# Altium PCB 宠物机器人&导购机器人.PcbDoc (part 8 of 14) (continued)
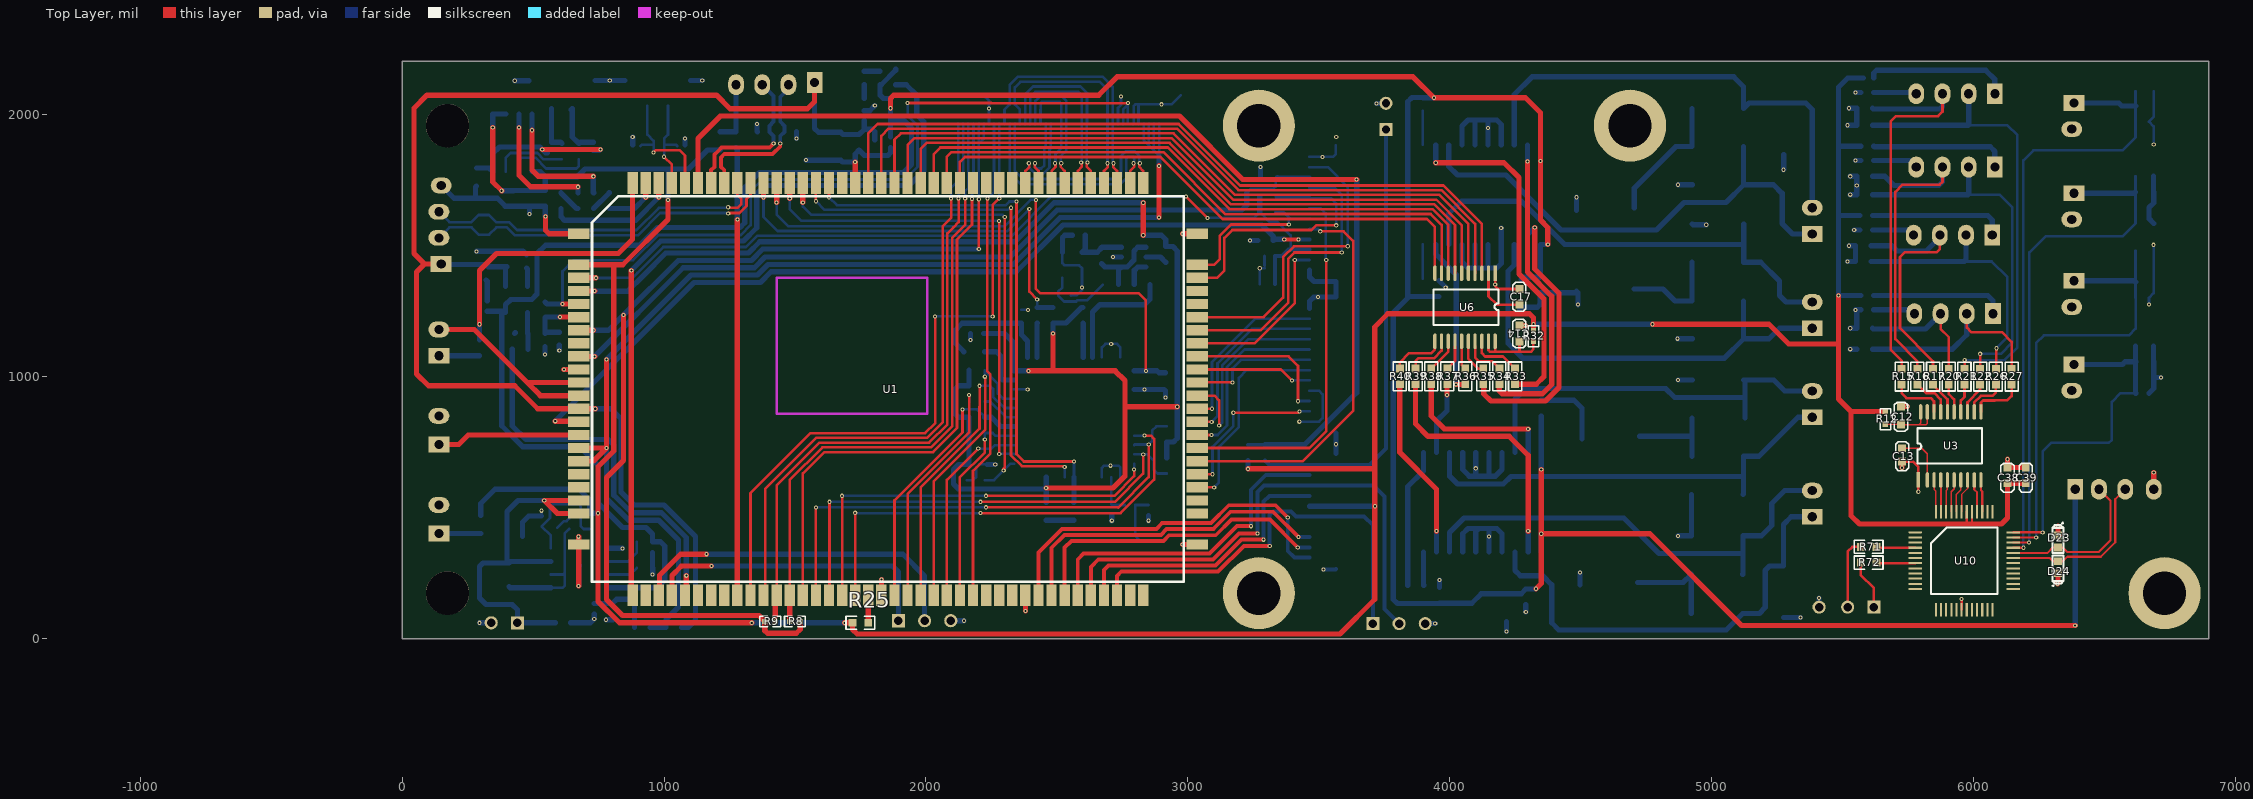
[diagram p0: Top Layer view]
## Free pads (board coordinates) (continued)
1(-1217.79,-384.65) 1(-1217.79,-384.65) 1(-1217.79,-384.65) 1(-1217.79,-384.65) 1(-1217.79,-384.65) 1(-1217.79,-384.65) 1(-1217.79,-384.58) 1(-1217.79,-384.58) 1(-1217.79,-384.58) 1(-1217.79,-384.58) 1(-1217.79,-384.58) 1(-1217.79,-384.58) 1(-1217.79,-384.36) 1(-1217.79,-384.36) 1(-1217.79,-384.36) 1(-1217.79,-384.32) 1(-1217.79,-384.32) 1(-1217.79,-384.32) 1(-1217.79,-384.32) 1(-1217.79,-384.32) 1(-1217.79,-384.32) 1(-1217.79,-383.78) 1(-1217.79,-383.78) 1(-1217.79,-383.78) 1(-1217.79,-383.78) 1(-1217.79,-383.78) 1(-1217.79,-383.78) 1(-1217.79,-384.58) 1(-1217.79,-384.58) 1(-1217.79,-384.58) 1(-1217.79,-384.82) 1(-1217.79,-384.82) 1(-1217.79,-384.82) 1(-1217.79,-384.82) 1(-1217.79,-384.82) 1(-1217.79,-384.82) 1(-1217.79,-384.82) 1(-1217.79,-384.82) 1(-1217.79,-384.82) 1(-1217.79,-384.82) 1(-1217.79,-384.82) 1(-1217.79,-384.82) 1(-1217.79,-384.82) 1(-1217.79,-384.82) 1(-1217.79,-384.82) 1(-1217.79,-384.79) 1(-1217.79,-384.79) 1(-1217.79,-384.79) 1(-1217.79,-384.73) 1(-1217.79,-384.73) 1(-1217.79,-384.73) 1(-1217.79,-384.73) 1(-1217.79,-384.73) 1(-1217.79,-384.73) 1(-1217.79,-384.44) 1(-1217.79,-384.44) 1(-1217.79,-384.44) 1(-1217.79,-384.44) 1(-1217.79,-384.44) 1(-1217.79,-384.44) 1(-1217.79,-384.66) 1(-1217.79,-384.66) 1(-1217.79,-384.66) 1(-1217.79,-384.66) 1(-1217.79,-384.66) 1(-1217.79,-384.66) 1(-1217.78,-383.99) 1(-1217.78,-383.99) 1(-1217.78,-383.99) 1(-1217.78,-383.99) 1(-1217.78,-383.99) 1(-1217.78,-383.99) 1(-1217.78,-383.17) 1(-1217.78,-383.17) 1(-1217.78,-383.17) 1(-1217.78,-383.17) 1(-1217.78,-383.17) 1(-1217.78,-383.17) 1(-1217.78,-384.96) 1(-1217.78,-384.96) 1(-1217.78,-384.96) 1(-1217.78,-384.96) 1(-1217.78,-384.96) 1(-1217.78,-384.96) 1(-1217.78,-383.8) 1(-1217.78,-383.8) 1(-1217.78,-383.8) 1(-1217.78,-383.8) 1(-1217.78,-383.8) 1(-1217.78,-383.8) 1(-1217.78,-383.8) 1(-1217.78,-383.8) 1(-1217.78,-383.8) 1(-1217.78,-383.8) 1(-1217.78,-383.8) 1(-1217.78,-383.8) 1(-1217.77,-384.62) 1(-1217.77,-384.62) 1(-1217.77,-384.62) 1(-1217.77,-384.32) 1(-1217.77,-384.32) 1(-1217.77,-384.32) 1(-1217.77,-384.32) 1(-1217.77,-384.32) 1(-1217.77,-384.32) 1(-1217.77,-384.32) 1(-1217.77,-384.32) 1(-1217.77,-384.32) 1(-1217.77,-384.29) 1(-1217.77,-384.29) 1(-1217.77,-384.29) 1(-1217.77,-384.29) 1(-1217.77,-384.29) 1(-1217.77,-384.29) 1(-1217.77,-384.23) 1(-1217.77,-384.23) 1(-1217.77,-384.23) 1(-1217.77,-384.23) 1(-1217.77,-384.23) 1(-1217.77,-384.23) 1(-1217.76,-383.34) 1(-1217.76,-383.34) 1(-1217.76,-383.34) 1(-1217.76,-383.24) 1(-1217.76,-383.24) 1(-1217.76,-383.24) 1(-1217.76,-383.24) 1(-1217.76,-383.24) 1(-1217.76,-383.24) 1(-1217.76,-383.19) 1(-1217.76,-383.19) 1(-1217.76,-383.19) 1(-1217.76,-383.19) 1(-1217.76,-383.19) 1(-1217.76,-383.19) 1(-1217.76,-383.34) 1(-1217.76,-383.34) 1(-1217.76,-383.34) 1(-1217.76,-383.34) 1(-1217.76,-383.34) 1(-1217.76,-383.34) 1(-1217.76,-383.24) 1(-1217.76,-383.24) 1(-1217.76,-383.24) 1(-1217.76,-383.24) 1(-1217.76,-383.24) 1(-1217.76,-383.24) 1(-1217.76,-384.16) 1(-1217.76,-384.16) 1(-1217.76,-384.16) 1(-1217.76,-384.16) 1(-1217.76,-384.16) 1(-1217.76,-384.16) 1(-1217.75,-384.17) 1(-1217.75,-384.17) 1(-1217.75,-384.17) 1(-1217.75,-384.17) 1(-1217.75,-384.17) 1(-1217.75,-384.17) 1(-1217.75,-385.04) 1(-1217.75,-385.04) 1(-1217.75,-385.04) 1(-1217.75,-384.99) 1(-1217.75,-384.99) 1(-1217.75,-384.99) 1(-1217.75,-384.99) 1(-1217.75,-384.99) 1(-1217.75,-384.99) 1(-1217.75,-384.17) 1(-1217.75,-384.17) 1(-1217.75,-384.17) 1(-1217.75,-384.17) 1(-1217.75,-384.17) 1(-1217.75,-384.17) 1(-1217.75,-384.27) 1(-1217.75,-384.27) 1(-1217.75,-384.27) 1(-1217.75,-384.56) 1(-1217.75,-384.56) 1(-1217.75,-384.56) 1(-1217.75,-384.56) 1(-1217.75,-384.56) 1(-1217.75,-384.56) 1(-1217.74,-383.23) 1(-1217.74,-383.23) 1(-1217.74,-383.23) 1(-1217.74,-383.23) 1(-1217.74,-383.23) 1(-1217.74,-383.23) 1(-1217.74,-383.14) 1(-1217.74,-383.14) 1(-1217.74,-383.14) 1(-1217.74,-383.14) 1(-1217.74,-383.14) 1(-1217.74,-383.14) 1(-1217.74,-383.26) 1(-1217.74,-383.26) 1(-1217.74,-383.26) 1(-1217.74,-383.26) 1(-1217.74,-383.26) 1(-1217.74,-383.26) 1(-1217.74,-383.23) 1(-1217.74,-383.23) 1(-1217.74,-383.23) 1(-1217.74,-383.23) 1(-1217.74,-383.23) 1(-1217.74,-383.23) 1(-1217.74,-384.44) 1(-1217.74,-384.44) 1(-1217.74,-384.44) 1(-1217.74,-384.62) 1(-1217.74,-384.62) 1(-1217.74,-384.62) 1(-1217.74,-384.62) 1(-1217.74,-384.62) 1(-1217.74,-384.62) 1(-1217.74,-384.62) 1(-1217.74,-384.62) 1(-1217.74,-384.62) 1(-1217.74,-384.62) 1(-1217.74,-384.62) 1(-1217.74,-384.62) 1(-1217.74,-384.62) 1(-1217.74,-384.62) 1(-1217.74,-384.62) 1(-1217.74,-384.62) 1(-1217.74,-384.62) 1(-1217.74,-384.62) 1(-1217.74,-384.56) 1(-1217.74,-384.56) 1(-1217.74,-384.56) 1(-1217.74,-384.5) 1(-1217.74,-384.5) 1(-1217.74,-384.5) 1(-1217.74,-384.5) 1(-1217.74,-384.5) 1(-1217.74,-384.5) 1(-1217.74,-384.44) 1(-1217.74,-384.44) 1(-1217.74,-384.44) 1(-1217.74,-384.38) 1(-1217.74,-384.38) 1(-1217.74,-384.38) 1(-1217.74,-384.38) 1(-1217.74,-384.38) 1(-1217.74,-384.38) 1(-1217.74,-384.32) 1(-1217.74,-384.32) 1(-1217.74,-384.32) 1(-1217.74,-384.32) 1(-1217.74,-384.32) 1(-1217.74,-384.32) 1(-1217.74,-384.27) 1(-1217.74,-384.27) 1(-1217.74,-384.27) 1(-1217.74,-384.27) 1(-1217.74,-384.27) 1(-1217.74,-384.27) 1(-1217.74,-384.21) 1(-1217.74,-384.21) 1(-1217.74,-384.21) 1(-1217.74,-384.21) 1(-1217.74,-384.21) 1(-1217.74,-384.21) 1(-1217.74,-384.21) 1(-1217.74,-384.21) 1(-1217.74,-384.21) 1(-1217.74,-384.21) 1(-1217.74,-384.21) 1(-1217.74,-384.21) 1(-1217.74,-384.21) 1(-1217.74,-384.21) 1(-1217.74,-384.21) 1(-1217.74,-384.18) 1(-1217.74,-384.18) 1(-1217.74,-384.18) 1(-1217.74,-384.18) 1(-1217.74,-384.18) 1(-1217.74,-384.18) 1(-1217.74,-384.38) 1(-1217.74,-384.38) 1(-1217.74,-384.38) 1(-1217.74,-384.38) 1(-1217.74,-384.38) 1(-1217.74,-384.38) 1(-1217.73,-384.79) 1(-1217.73,-384.79) 1(-1217.73,-384.79) 1(-1217.73,-384.73) 1(-1217.73,-384.73) 1(-1217.73,-384.73) 1(-1217.73,-383.97) 1(-1217.73,-383.97) 1(-1217.73,-383.97) 1(-1217.73,-383.97) 1(-1217.73,-383.97) 1(-1217.73,-383.97) 1(-1217.73,-384.16) 1(-1217.73,-384.16) 1(-1217.73,-384.16) 1(-1217.73,-384.16) 1(-1217.73,-384.16) 1(-1217.73,-384.16) 1(-1217.73,-384.03) 1(-1217.73,-384.03) 1(-1217.73,-384.03) 1(-1217.73,-384.03) 1(-1217.73,-384.03) 1(-1217.73,-384.03) 1(-1217.73,-384.01) 1(-1217.73,-384.01) 1(-1217.73,-384.01) 1(-1217.73,-384.01) 1(-1217.73,-384.01) 1(-1217.73,-384.01) 1(-1217.72,-383.17) 1(-1217.72,-383.17) 1(-1217.72,-383.17) 1(-1217.72,-383.17) 1(-1217.72,-383.17) 1(-1217.72,-383.17) 1(-1217.72,-383.14) 1(-1217.72,-383.14) 1(-1217.72,-383.14) 1(-1217.72,-384.79) 1(-1217.72,-384.79) 1(-1217.72,-384.79) 1(-1217.72,-384.79) 1(-1217.72,-384.79) 1(-1217.72,-384.79) 1(-1217.72,-384.01) 1(-1217.72,-384.01) 1(-1217.72,-384.01) 1(-1217.72,-384.01) 1(-1217.72,-384.01) 1(-1217.72,-384.01) 1(-1217.71,-384.47) 1(-1217.71,-384.47) 1(-1217.71,-384.47) 1(-1217.71,-384.47) 1(-1217.71,-384.47) 1(-1217.71,-384.47) 1(-1217.71,-383.18) 1(-1217.71,-383.18) 1(-1217.71,-383.18) 1(-1217.71,-383.18) 1(-1217.71,-383.18) 1(-1217.71,-383.18) 1(-1217.71,-383.34) 1(-1217.71,-383.34) 1(-1217.71,-383.34) 1(-1217.71,-383.29) 1(-1217.71,-383.29) 1(-1217.71,-383.29) 1(-1217.71,-383.29) 1(-1217.71,-383.29) 1(-1217.71,-383.29) 1(-1217.71,-383.5) 1(-1217.71,-383.5) 1(-1217.71,-383.5) 1(-1217.71,-383.5) 1(-1217.71,-383.5) 1(-1217.71,-383.5) 1(-1217.71,-383.23) 1(-1217.71,-383.23) 1(-1217.71,-383.23) 1(-1217.71,-383.23) 1(-1217.71,-383.23) 1(-1217.71,-383.23) 1(-1217.71,-383.23) 1(-1217.71,-383.23) 1(-1217.71,-383.23) 1(-1217.71,-383.2) 1(-1217.71,-383.2) 1(-1217.71,-383.2) 1(-1217.7,-384.78) 1(-1217.7,-384.78) 1(-1217.7,-384.78) 1(-1217.7,-384.78) 1(-1217.7,-384.78) 1(-1217.7,-384.78) 1(-1217.7,-384.71) 1(-1217.7,-384.71) 1(-1217.7,-384.71) 1(-1217.7,-384.71) 1(-1217.7,-384.71) 1(-1217.7,-384.71) 1(-1217.7,-383.99) 1(-1217.7,-383.99) 1(-1217.7,-383.99) 1(-1217.7,-383.99) 1(-1217.7,-383.99) 1(-1217.7,-383.99) 1(-1217.7,-383.94) 1(-1217.7,-383.94) 1(-1217.7,-383.94) 1(-1217.7,-383.52) 1(-1217.7,-383.52) 1(-1217.7,-383.52) 1(-1217.7,-383.52) 1(-1217.7,-383.52) 1(-1217.7,-383.52) 1(-1217.7,-384.7) 1(-1217.7,-384.7) 1(-1217.7,-384.7) 1(-1217.69,-384.01) 1(-1217.69,-384.01) 1(-1217.69,-384.01) 1(-1217.69,-384.01) 1(-1217.69,-384.01) 1(-1217.69,-384.01) 1(-1217.69,-384.11) 1(-1217.69,-384.11) 1(-1217.69,-384.11) 1(-1217.69,-384.08) 1(-1217.69,-384.08) 1(-1217.69,-384.08) 1(-1217.69,-384.82) 1(-1217.69,-384.82) 1(-1217.69,-384.82) 1(-1217.69,-384.82) 1(-1217.69,-384.82) 1(-1217.69,-384.82) 1(-1217.68,-383.14) 1(-1217.68,-383.14) 1(-1217.68,-383.14) 1(-1217.68,-384.62) 1(-1217.68,-384.62) 1(-1217.68,-384.62) 1(-1217.68,-384.56) 1(-1217.68,-384.56) 1(-1217.68,-384.56) 1(-1217.68,-384.5) 1(-1217.68,-384.5) 1(-1217.68,-384.5) 1(-1217.68,-384.46) 1(-1217.68,-384.46) 1(-1217.68,-384.46) 1(-1217.68,-384.46) 1(-1217.68,-384.46) 1(-1217.68,-384.46) 1(-1217.68,-384.46) 1(-1217.68,-384.46) 1(-1217.68,-384.46) 1(-1217.68,-384.44) 1(-1217.68,-384.44) 1(-1217.68,-384.44) 1(-1217.68,-384.44) 1(-1217.68,-384.44) 1(-1217.68,-384.44) 1(-1217.68,-384.38) 1(-1217.68,-384.38) 1(-1217.68,-384.38) 1(-1217.68,-384.38) 1(-1217.68,-384.38) 1(-1217.68,-384.38) 1(-1217.68,-384.32) 1(-1217.68,-384.32) 1(-1217.68,-384.32) 1(-1217.68,-384.27) 1(-1217.68,-384.27) 1(-1217.68,-384.27) 1(-1217.68,-384.21) 1(-1217.68,-384.21) 1(-1217.68,-384.21) 1(-1217.68,-384.38) 1(-1217.68,-384.38) 1(-1217.68,-384.38) 1(-1217.68,-383.47) 1(-1217.68,-383.47) 1(-1217.68,-383.47) 1(-1217.68,-383.47) 1(-1217.68,-383.47) 1(-1217.68,-383.47) 1(-1217.68,-383.24) 1(-1217.68,-383.24) 1(-1217.68,-383.24) 1(-1217.68,-383.24) 1(-1217.68,-383.24) 1(-1217.68,-383.24) 1(-1217.68,-384.66) 1(-1217.68,-384.66) 1(-1217.68,-384.66) 1(-1217.68,-384.66) 1(-1217.68,-384.66) 1(-1217.68,-384.66) 1(-1217.68,-384.66) 1(-1217.68,-384.66) 1(-1217.68,-384.66) 1(-1217.68,-384.81) 1(-1217.68,-384.81) 1(-1217.68,-384.81) 1(-1217.68,-384.81) 1(-1217.68,-384.81) 1(-1217.68,-384.81) 1(-1217.68,-384.79) 1(-1217.68,-384.79) 1(-1217.68,-384.79) 1(-1217.68,-384.79) 1(-1217.68,-384.79) 1(-1217.68,-384.79) 1(-1217.68,-384.73) 1(-1217.68,-384.73) 1(-1217.68,-384.73) 1(-1217.68,-383.18) 1(-1217.68,-383.18) 1(-1217.68,-383.18) 1(-1217.68,-383.18) 1(-1217.68,-383.18) 1(-1217.68,-383.18) 1(-1217.68,-383.14) 1(-1217.68,-383.14) 1(-1217.68,-383.14) 1(-1217.68,-383.14) 1(-1217.68,-383.14) 1(-1217.68,-383.14) 1(-1217.68,-384.73) 1(-1217.68,-384.73) 1(-1217.68,-384.73) 1(-1217.68,-384.73) 1(-1217.68,-384.73) 1(-1217.68,-384.73) 1(-1217.68,-384.66) 1(-1217.68,-384.66) 1(-1217.68,-384.66) 1(-1217.68,-384.66) 1(-1217.68,-384.66) 1(-1217.68,-384.66) 1(-1217.66,-384.62) 1(-1217.66,-384.62) 1(-1217.66,-384.62) 1(-1217.66,-384.62) 1(-1217.66,-384.62) 1(-1217.66,-384.62) 1(-1217.66,-384.63) 1(-1217.66,-384.63) 1(-1217.66,-384.63) 1(-1217.66,-383.22) 1(-1217.66,-383.22) 1(-1217.66,-383.22) 1(-1217.66,-383.22) 1(-1217.66,-383.22) 1(-1217.66,-383.22) 1(-1217.66,-383.2) 1(-1217.66,-383.2) 1(-1217.66,-383.2) 1(-1217.66,-383.2) 1(-1217.66,-383.2) 1(-1217.66,-383.2) 1(-1217.66,-384.79) 1(-1217.66,-384.79) 1(-1217.66,-384.79) 1(-1217.66,-384.79) 1(-1217.66,-384.79) 1(-1217.66,-384.79) 1(-1217.65,-383.94) 1(-1217.65,-383.94) 1(-1217.65,-383.94) 1(-1217.65,-383.94) 1(-1217.65,-383.94) 1(-1217.65,-383.94) 1(-1217.65,-383.92) 1(-1217.65,-383.92) 1(-1217.65,-383.92) 1(-1217.65,-383.92) 1(-1217.65,-383.92) 1(-1217.65,-383.92) 1(-1217.65,-384.29) 1(-1217.65,-384.29) 1(-1217.65,-384.29) 1(-1217.65,-384.29) 1(-1217.65,-384.29) 1(-1217.65,-384.29) 1(-1217.65,-384.04) 1(-1217.65,-384.04) 1(-1217.65,-384.04) 1(-1217.65,-384.04) 1(-1217.65,-384.04) 1(-1217.65,-384.04) 1(-1217.65,-384.53) 1(-1217.65,-384.53) 1(-1217.65,-384.53) 1(-1217.65,-384.03) 1(-1217.65,-384.03) 1(-1217.65,-384.03) 1(-1217.65,-384.03) 1(-1217.65,-384.03) 1(-1217.65,-384.03) 1(-1217.64,-384.78) 1(-1217.64,-384.78) 1(-1217.64,-384.78) 1(-1217.64,-383.95) 1(-1217.64,-383.95) 1(-1217.64,-383.95) 1(-1217.64,-383.95) 1(-1217.64,-383.95) 1(-1217.64,-383.95) 1(-1217.64,-383.93) 1(-1217.64,-383.93) 1(-1217.64,-383.93) 1(-1217.64,-383.93) 1(-1217.64,-383.93) 1(-1217.64,-383.93) 1(-1217.64,-384.66) 1(-1217.64,-384.66) 1(-1217.64,-384.66) 1(-1217.64,-384.66) 1(-1217.64,-384.66) 1(-1217.64,-384.66) 1(-1217.63,-383.45) 1(-1217.63,-383.45) 1(-1217.63,-383.45) 1(-1217.63,-383.45) 1(-1217.63,-383.45) 1(-1217.63,-383.45) 1(-1217.63,-383.24) 1(-1217.63,-383.24) 1(-1217.63,-383.24) 1(-1217.63,-383.24) 1(-1217.63,-383.24) 1(-1217.63,-383.24) 1(-1217.63,-384.65) 1(-1217.63,-384.65) 1(-1217.63,-384.65) 1(-1217.63,-384.65) 1(-1217.63,-384.65) 1(-1217.63,-384.65) 1(-1217.63,-384.63) 1(-1217.63,-384.63) 1(-1217.63,-384.63) 1(-1217.63,-384.57) 1(-1217.63,-384.57) 1(-1217.63,-384.57) 1(-1217.63,-384.15) 1(-1217.63,-384.15) 1(-1217.63,-384.15) 1(-1217.63,-384.15) 1(-1217.63,-384.15) 1(-1217.63,-384.15) 1(-1217.62,-384) 1(-1217.62,-384) 1(-1217.62,-384) 1(-1217.62,-384) 1(-1217.62,-384) 1(-1217.62,-384) 1(-1217.62,-383.94) 1(-1217.62,-383.94) 1(-1217.62,-383.94) 1(-1217.62,-383.94) 1(-1217.62,-383.94) 1(-1217.62,-383.94) 1(-1217.62,-383.22) 1(-1217.62,-383.22) 1(-1217.62,-383.22) 1(-1217.62,-383.22) 1(-1217.62,-383.22) 1(-1217.62,-383.22) 1(-1217.61,-383.35) 1(-1217.61,-383.35) 1(-1217.61,-383.35) 1(-1217.61,-383.22) 1(-1217.61,-383.22) 1(-1217.61,-383.22) 1(-1217.61,-383.22) 1(-1217.61,-383.22) 1(-1217.61,-383.22) 1(-1217.61,-383.2) 1(-1217.61,-383.2) 1(-1217.61,-383.2) 1(-1217.61,-383.2) 1(-1217.61,-383.2) 1(-1217.61,-383.2) 1(-1217.61,-383.87) 1(-1217.61,-383.87) 1(-1217.61,-383.87) 1(-1217.61,-383.87) 1(-1217.61,-383.87) 1(-1217.61,-383.87) 1(-1217.61,-383.87) 1(-1217.61,-383.87) 1(-1217.61,-383.87) 1(-1217.61,-383.87) 1(-1217.61,-383.87) 1(-1217.61,-383.87) 1(-1217.61,-384.54) 1(-1217.61,-384.54) 1(-1217.61,-384.54) 1(-1217.61,-384.54) 1(-1217.61,-384.54) 1(-1217.61,-384.54) 1(-1217.61,-384.27) 1(-1217.61,-384.27) 1(-1217.61,-384.27) 1(-1217.61,-384.27) 1(-1217.61,-384.27) 1(-1217.61,-384.27) 1(-1217.6,-384.12) 1(-1217.6,-384.12) 1(-1217.6,-384.12) 1(-1217.6,-384.12) 1(-1217.6,-384.12) 1(-1217.6,-384.12) 1(-1217.6,-383.93) 1(-1217.6,-383.93) 1(-1217.6,-383.93) 1(-1217.6,-383.93) 1(-1217.6,-383.93) 1(-1217.6,-383.93) 1(-1217.59,-384.7) 1(-1217.59,-384.7) 1(-1217.59,-384.7) 1(-1217.59,-384.55) 1(-1217.59,-384.55) 1(-1217.59,-384.55) 1(-1217.59,-384.55) 1(-1217.59,-384.55) 1(-1217.59,-384.55) 1(-1217.59,-383.33) 1(-1217.59,-383.33) 1(-1217.59,-383.33) 1(-1217.59,-383.33) 1(-1217.59,-383.33) 1(-1217.59,-383.33) 1(-1217.59,-383.28) 1(-1217.59,-383.28) 1(-1217.59,-383.28) 1(-1217.59,-383.28) 1(-1217.59,-383.28) 1(-1217.59,-383.28) 1(-1217.58,-384.38) 1(-1217.58,-384.38) 1(-1217.58,-384.38) 1(-1217.58,-384.38) 1(-1217.58,-384.38) 1(-1217.58,-384.38) 1(-1217.58,-384.27) 1(-1217.58,-384.27) 1(-1217.58,-384.27) 1(-1217.58,-384.27) 1(-1217.58,-384.27) 1(-1217.58,-384.27) 1(-1217.57,-384.88) 1(-1217.57,-384.88) 1(-1217.57,-384.88) 1(-1217.57,-384.88) 1(-1217.57,-384.88) 1(-1217.57,-384.88) 1(-1217.57,-384.65) 1(-1217.57,-384.65) 1(-1217.57,-384.65) 1(-1217.57,-384.65) 1(-1217.57,-384.65) 1(-1217.57,-384.65) 1(-1217.56,-383.8) 1(-1217.56,-383.8) 1(-1217.56,-383.8) 1(-1217.56,-383.26) 1(-1217.56,-383.26) 1(-1217.56,-383.26) 1(-1217.56,-383.26) 1(-1217.56,-383.26) 1(-1217.56,-383.26) 1(-1217.56,-383.26) 1(-1217.56,-383.26) 1(-1217.56,-383.26) 1(-1217.56,-384.46) 1(-1217.56,-384.46) 1(-1217.56,-384.46) 1(-1217.56,-384.35) 1(-1217.56,-384.35) 1(-1217.56,-384.35) 1(-1217.56,-384.35) 1(-1217.56,-384.35) 1(-1217.56,-384.35) 1(-1217.56,-384.35) 1(-1217.56,-384.35) 1(-1217.56,-384.35) 1(-1217.56,-384.08) 1(-1217.56,-384.08) 1(-1217.56,-384.08) 1(-1217.56,-383.32) 1(-1217.56,-383.32) 1(-1217.56,-383.32) 1(-1217.56,-383.32) 1(-1217.56,-383.32) 1(-1217.56,-383.32) 1(-1217.56,-383.31) 1(-1217.56,-383.31) 1(-1217.56,-383.31) 1(-1217.56,-383.25) 1(-1217.56,-383.25) 1(-1217.56,-383.25) 1(-1217.56,-384.07) 1(-1217.56,-384.07) 1(-1217.56,-384.07) 1(-1217.56,-384.07) 1(-1217.56,-384.07) 1(-1217.56,-384.07) 1(-1217.56,-384.04) 1(-1217.56,-384.04) 1(-1217.56,-384.04) 1(-1217.56,-384.41) 1(-1217.56,-384.41) 1(-1217.56,-384.41) 1(-1217.56,-384.41) 1(-1217.56,-384.41) 1(-1217.56,-384.41) 1(-1217.56,-384.47) 1(-1217.56,-384.47) 1(-1217.56,-384.47) 1(-1217.56,-384.47) 1(-1217.56,-384.47) 1(-1217.56,-384.47) 1(-1217.56,-384.64) 1(-1217.56,-384.64) 1(-1217.56,-384.64) 1(-1217.56,-384.64) 1(-1217.56,-384.64) 1(-1217.56,-384.64) 1(-1217.55,-384.78) 1(-1217.55,-384.78) 1(-1217.55,-384.78) 1(-1217.54,-383.76) 1(-1217.54,-383.76) 1(-1217.54,-383.76) 1(-1217.54,-383.76) 1(-1217.54,-383.76) 1(-1217.54,-383.76) 1(-1217.54,-383.78) 1(-1217.54,-383.78) 1(-1217.54,-383.78) 1(-1217.54,-383.78) 1(-1217.54,-383.78) 1(-1217.54,-383.78) 1(-1217.53,-384.76) 1(-1217.53,-384.76) 1(-1217.53,-384.76) 1(-1217.53,-384.76) 1(-1217.53,-384.76) 1(-1217.53,-384.76) 1(-1217.53,-384.73) 1(-1217.53,-384.73) 1(-1217.53,-384.73) 1(-1217.53,-384.47) 1(-1217.53,-384.47) 1(-1217.53,-384.47) 1(-1217.53,-384.41) 1(-1217.53,-384.41) 1(-1217.53,-384.41) 1(-1217.53,-384.35) 1(-1217.53,-384.35) 1(-1217.53,-384.35) 1(-1217.53,-384.3) 1(-1217.53,-384.3) 1(-1217.53,-384.3) 1(-1217.53,-384.3) 1(-1217.53,-384.3) 1(-1217.53,-384.3) 1(-1217.53,-384.26) 1(-1217.53,-384.26) 1(-1217.53,-384.26) 1(-1217.53,-384.26) 1(-1217.53,-384.26) 1(-1217.53,-384.26) 1(-1217.53,-384.3) 1(-1217.53,-384.3) 1(-1217.53,-384.3) 1(-1217.52,-384.18) 1(-1217.52,-384.18) 1(-1217.52,-384.18) 1(-1217.52,-384.18) 1(-1217.52,-384.18) 1(-1217.52,-384.18) 1(-1217.52,-384.12) 1(-1217.52,-384.12) 1(-1217.52,-384.12) 1(-1217.52,-384.12) 1(-1217.52,-384.12) 1(-1217.52,-384.12) 1(-1217.52,-383.88) 1(-1217.52,-383.88) 1(-1217.52,-383.88) 1(-1217.52,-383.88) 1(-1217.52,-383.88) 1(-1217.52,-383.88) 1(-1217.51,-383.3) 1(-1217.51,-383.3) 1(-1217.51,-383.3) 1(-1217.51,-383.26) 1(-1217.51,-383.26) 1(-1217.51,-383.26) 1(-1217.51,-383.26) 1(-1217.51,-383.26) 1(-1217.51,-383.26) 1(-1217.51,-383.3) 1(-1217.51,-383.3) 1(-1217.51,-383.3) 1(-1217.51,-383.26) 1(-1217.51,-383.26) 1(-1217.51,-383.26) 1(-1217.51,-383.26) 1(-1217.51,-383.26) 1(-1217.51,-383.26) 1(-1217.48,-385.04) 1(-1217.48,-385.04) 1(-1217.48,-385.04) 1(-1217.48,-384.98) 1(-1217.48,-384.98) 1(-1217.48,-384.98) 1(-1217.48,-384.98) 1(-1217.48,-384.98) 1(-1217.48,-384.98) 1(-1217.47,-384.73) 1(-1217.47,-384.73) 1(-1217.47,-384.73) 1(-1217.47,-384.73) 1(-1217.47,-384.73) 1(-1217.47,-384.73) 1(-1217.47,-384.67) 1(-1217.47,-384.67) 1(-1217.47,-384.67) 1(-1217.47,-384.67) 1(-1217.47,-384.67) 1(-1217.47,-384.67) 1(-1217.47,-384.52) 1(-1217.47,-384.52) 1(-1217.47,-384.52) 1(-1217.47,-384.47) 1(-1217.47,-384.47) 1(-1217.47,-384.47) 1(-1217.47,-384.47) 1(-1217.47,-384.47) 1(-1217.47,-384.47) 1(-1217.47,-384.41) 1(-1217.47,-384.41) 1(-1217.47,-384.41) 1(-1217.47,-384.35) 1(-1217.47,-384.35) 1(-1217.47,-384.35) 1(-1217.47,-384.35) 1(-1217.47,-384.35) 1(-1217.47,-384.35) 1(-1217.47,-384.3) 1(-1217.47,-384.3) 1(-1217.47,-384.3) 1(-1217.47,-384.3) 1(-1217.47,-384.3) 1(-1217.47,-384.3) 1(-1217.47,-384.3) 1(-1217.47,-384.3) 1(-1217.47,-384.3) 1(-1217.47,-383.3) 1(-1217.47,-383.3) 1(-1217.47,-383.3) 1(-1217.47,-384.15) 1(-1217.47,-384.15) 1(-1217.47,-384.15) 1(-1217.47,-384.15) 1(-1217.47,-384.15) 1(-1217.47,-384.15) 1(-1217.47,-384.12) 1(-1217.47,-384.12) 1(-1217.47,-384.12) 1(-1217.47,-384.12) 1(-1217.47,-384.12) 1(-1217.47,-384.12) 1(-1217.47,-383.85) 1(-1217.47,-383.85) 1(-1217.47,-383.85) 1(-1217.47,-383.85) 1(-1217.47,-383.85) 1(-1217.47,-383.85) 1(-1217.47,-384.78) 1(-1217.47,-384.78) 1(-1217.47,-384.78) 1(-1217.47,-384.73) 1(-1217.47,-384.73) 1(-1217.47,-384.73) 1(-1217.47,-384.73) 1(-1217.47,-384.73) 1(-1217.47,-384.73) 1(-1217.47,-384.66) 1(-1217.47,-384.66) 1(-1217.47,-384.66) 1(-1217.47,-384.66) 1(-1217.47,-384.66) 1(-1217.47,-384.66) 1(-1217.47,-384.64) 1(-1217.47,-384.64) 1(-1217.47,-384.64) 1(-1217.47,-384.64) 1(-1217.47,-384.64) 1(-1217.47,-384.64) 1(-1217.47,-384.64) 1(-1217.47,-384.64) 1(-1217.47,-384.64) 1(-1217.47,-384.62) 1(-1217.47,-384.62) 1(-1217.47,-384.62) 1(-1217.47,-384.57) 1(-1217.47,-384.57) 1(-1217.47,-384.57) 1(-1217.47,-384.57) 1(-1217.47,-384.57) 1(-1217.47,-384.57) 1(-1217.47,-384.53) 1(-1217.47,-384.53) 1(-1217.47,-384.53) 1(-1217.47,-384.53) 1(-1217.47,-384.53) 1(-1217.47,-384.53) 1(-1217.46,-384.72) 1(-1217.46,-384.72) 1(-1217.46,-384.72) 1(-1217.46,-384.72) 1(-1217.46,-384.72) 1(-1217.46,-384.72) 1(-1217.46,-383.26) 1(-1217.46,-383.26) 1(-1217.46,-383.26) 1(-1217.46,-383.26) 1(-1217.46,-383.26) 1(-1217.46,-383.26) 1(-1217.46,-383.26) 1(-1217.46,-383.26) 1(-1217.46,-383.26) 1(-1217.46,-383.26) 1(-1217.46,-383.26) 1(-1217.46,-383.26) 1(-1217.46,-383.14) 1(-1217.46,-383.14) 1(-1217.46,-383.14) 1(-1217.46,-383.28) 1(-1217.46,-383.28) 1(-1217.46,-383.28) 1(-1217.46,-383.28) 1(-1217.46,-383.28) 1(-1217.46,-383.28) 1(-1217.46,-384.35) 1(-1217.46,-384.35) 1(-1217.46,-384.35) 1(-1217.46,-384.35) 1(-1217.46,-384.35) 1(-1217.46,-384.35) 1(-1217.46,-383.32) 1(-1217.46,-383.32) 1(-1217.46,-383.32) 1(-1217.45,-384.69) 1(-1217.45,-384.69) 1(-1217.45,-384.69) 1(-1217.45,-384.69) 1(-1217.45,-384.69) 1(-1217.45,-384.69) 1(-1217.45,-383.28) 1(-1217.45,-383.28) 1(-1217.45,-383.28) 1(-1217.45,-383.28) 1(-1217.45,-383.28) 1(-1217.45,-383.28) 1(-1217.44,-384.57) 1(-1217.44,-384.57) 1(-1217.44,-384.57) 1(-1217.44,-384.57) 1(-1217.44,-384.57) 1(-1217.44,-384.57) 1(-1217.44,-384.49) 1(-1217.44,-384.49) 1(-1217.44,-384.49) 1(-1217.44,-384.49) 1(-1217.44,-384.49) 1(-1217.44,-384.49) 1(-1217.44,-384.65) 1(-1217.44,-384.65) 1(-1217.44,-384.65) 1(-1217.44,-384.65) 1(-1217.44,-384.65) 1(-1217.44,-384.65) 1(-1217.44,-384.6) 1(-1217.44,-384.6) 1(-1217.44,-384.6) 1(-1217.44,-384.6) 1(-1217.44,-384.6) 1(-1217.44,-384.6) 1(-1217.44,-384.08) 1(-1217.44,-384.08) 1(-1217.44,-384.08) 1(-1217.44,-384.04) 1(-1217.44,-384.04) 1(-1217.44,-384.04) 1(-1217.44,-384.04) 1(-1217.44,-384.04) 1(-1217.44,-384.04) 1(-1217.43,-384.04) 1(-1217.43,-384.04) 1(-1217.43,-384.04) 1(-1217.43,-384.57) 1(-1217.43,-384.57) 1(-1217.43,-384.57) 1(-1217.43,-384.57) 1(-1217.43,-384.57) 1(-1217.43,-384.57) 1(-1217.43,-384.44) 1(-1217.43,-384.44) 1(-1217.43,-384.44) 1(-1217.43,-384.44) 1(-1217.43,-384.44) 1(-1217.43,-384.44) 1(-1217.42,-383.26) 1(-1217.42,-383.26) 1(-1217.42,-383.26) 1(-1217.42,-383.26) 1(-1217.42,-383.26) 1(-1217.42,-383.26) 1(-1217.42,-383.14) 1(-1217.42,-383.14) 1(-1217.42,-383.14) 1(-1217.42,-383.32) 1(-1217.42,-383.32) 1(-1217.42,-383.32) 1(-1217.42,-383.26) 1(-1217.42,-383.26) 1(-1217.42,-383.26) 1(-1217.42,-383.26) 1(-1217.42,-383.26) 1(-1217.42,-383.26) 1(-1217.42,-383.26) 1(-1217.42,-383.26) 1(-1217.42,-383.26) 1(-1217.42,-384.67) 1(-1217.42,-384.67) 1(-1217.42,-384.67) 1(-1217.42,-384.67) 1(-1217.42,-384.67) 1(-1217.42,-384.67) 1(-1217.42,-383.32) 1(-1217.42,-383.32) 1(-1217.42,-383.32) 1(-1217.42,-383.32) 1(-1217.42,-383.32) 1(-1217.42,-383.32) 1(-1217.42,-384.64) 1(-1217.42,-384.64) 1(-1217.42,-384.64) 1(-1217.42,-384.64) 1(-1217.42,-384.64) 1(-1217.42,-384.64) 1(-1217.42,-384.64) 1(-1217.42,-384.64) 1(-1217.42,-384.64) 1(-1217.42,-384.86) 1(-1217.42,-384.86) 1(-1217.42,-384.86) 1(-1217.42,-384.86) 1(-1217.42,-384.86) 1(-1217.42,-384.86) 1(-1217.42,-384.84) 1(-1217.42,-384.84) 1(-1217.42,-384.84) 1(-1217.42,-384.84) 1(-1217.42,-384.84) 1(-1217.42,-384.84) 1(-1217.41,-384.84) 1(-1217.41,-384.84) 1(-1217.41,-384.84) 1(-1217.41,-384.84) 1(-1217.41,-384.84) 1(-1217.41,-384.84) 1(-1217.41,-384.78) 1(-1217.41,-384.78) 1(-1217.41,-384.78) 1(-1217.41,-384.78) 1(-1217.41,-384.78) 1(-1217.41,-384.78) 1(-1217.41,-384.75) 1(-1217.41,-384.75) 1(-1217.41,-384.75) 1(-1217.41,-384.75) 1(-1217.41,-384.75) 1(-1217.41,-384.75) 1(-1217.41,-384.42) 1(-1217.41,-384.42) 1(-1217.41,-384.42) 1(-1217.41,-384.42) 1(-1217.41,-384.42) 1(-1217.41,-384.42) 1(-1217.4,-384.59) 1(-1217.4,-384.59) 1(-1217.4,-384.59) 1(-1217.4,-384.59) 1(-1217.4,-384.59) 1(-1217.4,-384.59) 1(-1217.4,-384.61) 1(-1217.4,-384.61) 1(-1217.4,-384.61) 1(-1217.4,-384.61) 1(-1217.4,-384.61) 1(-1217.4,-384.61) 1(-1217.4,-384.74) 1(-1217.4,-384.74) 1(-1217.4,-384.74) 1(-1217.4,-384.74) 1(-1217.4,-384.74) 1(-1217.4,-384.74) 1(-1217.4,-383.57) 1(-1217.4,-383.57) 1(-1217.4,-383.57) 1(-1217.4,-383.52) 1(-1217.4,-383.52) 1(-1217.4,-383.52) 1(-1217.4,-383.52) 1(-1217.4,-383.52) 1(-1217.4,-383.52) 1(-1217.4,-385.04) 1(-1217.4,-385.04) 1(-1217.4,-385.04) 1(-1217.4,-384.88) 1(-1217.4,-384.88) 1(-1217.4,-384.88) 1(-1217.4,-384.88) 1(-1217.4,-384.88) 1(-1217.4,-384.88) 1(-1217.4,-383.52) 1(-1217.4,-383.52) 1(-1217.4,-383.52) 1(-1217.39,-384.12) 1(-1217.39,-384.12) 1(-1217.39,-384.12) 1(-1217.39,-384.12) 1(-1217.39,-384.12) 1(-1217.39,-384.12) 1(-1217.39,-383.8) 1(-1217.39,-383.8) 1(-1217.39,-383.8) 1(-1217.39,-383.8) 1(-1217.39,-383.8) 1(-1217.39,-383.8) 1(-1217.39,-384.54) 1(-1217.39,-384.54) 1(-1217.39,-384.54) 1(-1217.39,-384.48) 1(-1217.39,-384.48) 1(-1217.39,-384.48) 1(-1217.39,-384.42) 1(-1217.39,-384.42) 1(-1217.39,-384.42) 1(-1217.39,-384.42) 1(-1217.39,-384.42) 1(-1217.39,-384.42) 1(-1217.39,-384.37) 1(-1217.39,-384.37) 1(-1217.39,-384.37) 1(-1217.39,-384.33) 1(-1217.39,-384.33) 1(-1217.39,-384.33) 1(-1217.39,-384.33) 1(-1217.39,-384.33) 1(-1217.39,-384.33) 1(-1217.39,-384.48) 1(-1217.39,-384.48) 1(-1217.39,-384.48) 1(-1217.39,-384.48) 1(-1217.39,-384.48) 1(-1217.39,-384.48) 1(-1217.39,-384.33) 1(-1217.39,-384.33) 1(-1217.39,-384.33) 1(-1217.38,-383.26) 1(-1217.38,-383.26) 1(-1217.38,-383.26) 1(-1217.38,-383.26) 1(-1217.38,-383.26) 1(-1217.38,-383.26) 1(-1217.38,-383.3) 1(-1217.38,-383.3) 1(-1217.38,-383.3) 1(-1217.38,-383.29) 1(-1217.38,-383.29) 1(-1217.38,-383.29) 1(-1217.38,-383.29) 1(-1217.38,-383.29) 1(-1217.38,-383.29) 1(-1217.38,-383.26) 1(-1217.38,-383.26) 1(-1217.38,-383.26) 1(-1217.38,-383.26) 1(-1217.38,-383.26) 1(-1217.38,-383.26) 1(-1217.37,-384.78) 1(-1217.37,-384.78) 1(-1217.37,-384.78) 1(-1217.37,-384.78) 1(-1217.37,-384.78) 1(-1217.37,-384.78) 1(-1217.37,-384.78) 1(-1217.37,-384.78) 1(-1217.37,-384.78) 1(-1217.37,-384.51) 1(-1217.37,-384.51) 1(-1217.37,-384.51) 1(-1217.37,-384.74) 1(-1217.37,-384.74) 1(-1217.37,-384.74) 1(-1217.37,-384.72) 1(-1217.37,-384.72) 1(-1217.37,-384.72) 1(-1217.37,-384.72) 1(-1217.37,-384.72) 1(-1217.37,-384.72) 1(-1217.37,-384.69) 1(-1217.37,-384.69) 1(-1217.37,-384.69) 1(-1217.37,-384.67) 1(-1217.37,-384.67) 1(-1217.37,-384.67) 1(-1217.37,-384.67) 1(-1217.37,-384.67) 1(-1217.37,-384.67) 1(-1217.37,-384.64) 1(-1217.37,-384.64) 1(-1217.37,-384.64) 1(-1217.37,-384.61) 1(-1217.37,-384.61) 1(-1217.37,-384.61) 1(-1217.37,-384.61) 1(-1217.37,-384.61) 1(-1217.37,-384.61) 1(-1217.37,-384.59) 1(-1217.37,-384.59) 1(-1217.37,-384.59) 1(-1217.37,-384.57) 1(-1217.37,-384.57) 1(-1217.37,-384.57) 1(-1217.37,-384.57) 1(-1217.37,-384.57) 1(-1217.37,-384.57) 1(-1217.36,-384.31) 1(-1217.36,-384.31) 1(-1217.36,-384.31) 1(-1217.36,-384.31) 1(-1217.36,-384.31) 1(-1217.36,-384.31) 1(-1217.36,-383.79) 1(-1217.36,-383.79) 1(-1217.36,-383.79) 1(-1217.36,-383.79) 1(-1217.36,-383.79) 1(-1217.36,-383.79) 1(-1217.35,-384.84) 1(-1217.35,-384.84) 1(-1217.35,-384.84) 1(-1217.35,-384.78) 1(-1217.35,-384.78) 1(-1217.35,-384.78) 1(-1217.35,-384.78) 1(-1217.35,-384.78) 1(-1217.35,-384.78) 1(-1217.34,-384.08) 1(-1217.34,-384.08) 1(-1217.34,-384.08) 1(-1217.34,-383.79) 1(-1217.34,-383.79) 1(-1217.34,-383.79) 1(-1217.34,-383.79) 1(-1217.34,-383.79) 1(-1217.34,-383.79) 1(-1217.33,-384.57) 1(-1217.33,-384.57) 1(-1217.33,-384.57) 1(-1217.33,-384.57) 1(-1217.33,-384.57) 1(-1217.33,-384.57) 1(-1217.33,-384.34) 1(-1217.33,-384.34) 1(-1217.33,-384.34) 1(-1217.33,-384.34) 1(-1217.33,-384.34) 1(-1217.33,-384.34) 1(-1217.33,-384.54) 1(-1217.33,-384.54) 1(-1217.33,-384.54) 1(-1217.33,-384.54) 1(-1217.33,-384.54) 1(-1217.33,-384.54) 1(-1217.33,-384.48) 1(-1217.33,-384.48) 1(-1217.33,-384.48) 1(-1217.33,-384.42) 1(-1217.33,-384.42) 1(-1217.33,-384.42) 1(-1217.33,-384.42) 1(-1217.33,-384.42) 1(-1217.33,-384.42) 1(-1217.33,-384.37) 1(-1217.33,-384.37) 1(-1217.33,-384.37) 1(-1217.33,-384.72) 1(-1217.33,-384.72) 1(-1217.33,-384.72) 1(-1217.33,-384.72) 1(-1217.33,-384.72) 1(-1217.33,-384.72) 1(-1217.33,-384.61) 1(-1217.33,-384.61) 1(-1217.33,-384.61) 1(-1217.33,-384.61) 1(-1217.33,-384.61) 1(-1217.33,-384.61) 1(-1217.33,-383.26) 1(-1217.33,-383.26)